# Allegro board 1156197-TDI_VU3P_QSFP28_CXP_V001_1023A-166-20241121_1644_PCB.brd (continued)
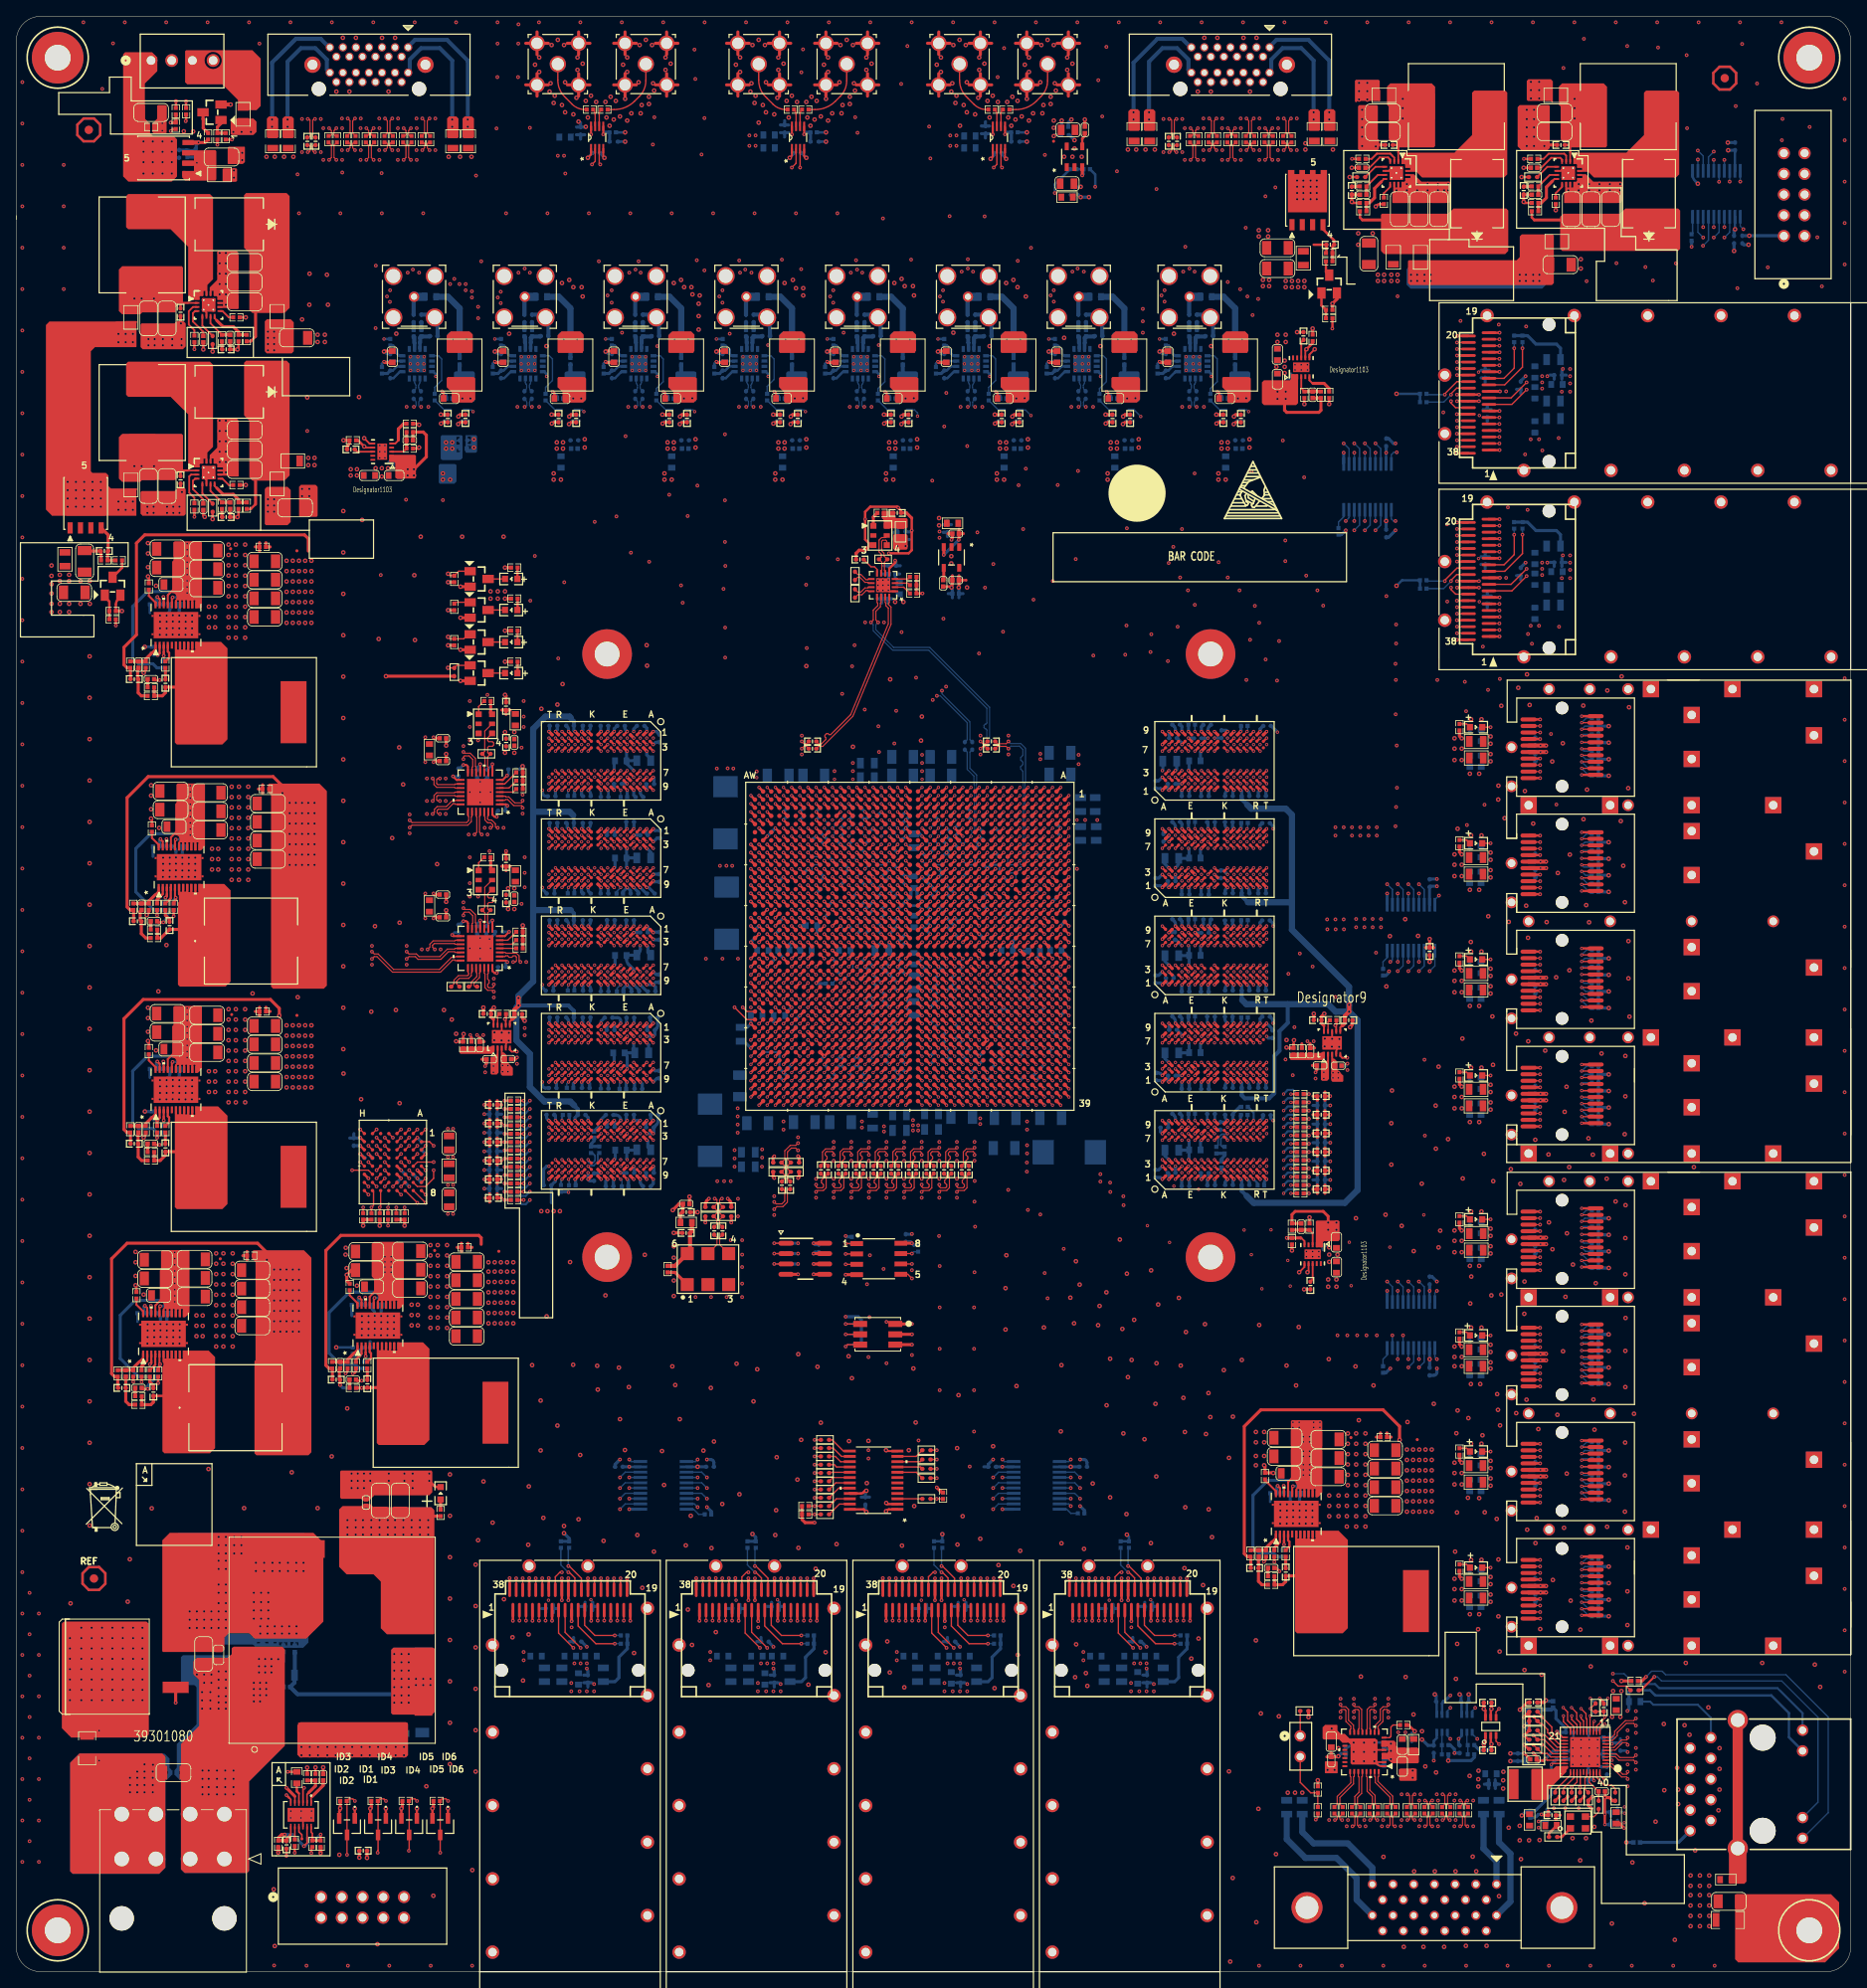
[diagram p0: board, top side]
## Routing (per net, layer and track width the routed paths; a pad name or vN(x,y) marks a point on that pad's centre or on a via; arc(x,y) is an arc through that point) (continued)
CHA_QSFP6_TX3_N: length 71.1
  TOP w0.14: U1.T36 v3(114.1,109.36) ; J13.5 v1(109.88,43.09)
  ART16 w0.102: v3(114.1,109.36) 114.1,109.61 arc(114.14,109.71) 114.25,109.76 114.37,109.76 arc(114.41,109.75) 114.45,109.72 114.47,109.71 arc(114.49,109.67) 114.5,109.63 114.5,108.04 114.48,107.62 114.48,105.77 114.42,105.71 114.42,105.69
  ART16 w0.114: v1(109.88,43.09) 110.02,43.22 arc(110.1,43.35) 110.13,43.5 110.13,43.69 arc(110.11,43.75) 110.06,43.77 arc(110,43.79) 109.98,43.84 109.98,44.15 arc(110,44.2) 110.06,44.23 arc(110.11,44.25) 110.13,44.3 110.13,44.61 arc(110.11,44.66) 110.06,44.68 arc(110,44.71) 109.98,44.76 109.98,45.07 arc(110,45.12) 110.06,45.14 arc(110.11,45.16) 110.13,45.22 110.13,45.74 arc(110.23,46.21) 110.5,46.62 111.31,47.44 arc(111.62,47.9) 111.73,48.45 111.73,51.89 arc(112.06,53.56) 113.01,54.98 113.2,55.16 arc(113.88,56.18) 114.12,57.39 114.12,104.72 arc(114.17,104.96) 114.3,105.16 arc(114.39,105.29) 114.42,105.46 114.42,105.69
CHA_QSFP6_TX3_P: length 71
  TOP w0.14: U1.T35 v3(114.1,110.36) ; v1(110.68,43.09) 110.68,43.09 J13.6
  ART16 w0.102: v3(114.1,110.36) 114.1,110.15 arc(114.16,110.01) 114.29,109.96 114.37,109.96 arc(114.49,109.94) 114.59,109.87 114.61,109.85 arc(114.68,109.75) 114.7,109.63 114.7,108.03 114.68,107.61 114.68,105.77 114.73,105.71 114.73,105.69
  ART16 w0.114: v1(110.68,43.09) 110.55,43.22 arc(110.47,43.35) 110.44,43.5 110.44,45.74 arc(110.51,46.1) 110.71,46.4 111.53,47.22 arc(111.91,47.78) 112.04,48.45 112.04,51.89 arc(112.35,53.44) 113.23,54.76 113.41,54.94 arc(114.16,56.06) 114.43,57.39 114.43,104.72 arc(114.45,104.84) 114.52,104.94 arc(114.68,105.18) 114.73,105.46 114.73,105.69
CHA_QSFP6_VCCI: length 4.2
  TOP w0.305: v1(112.68,48.29) J13.30 v1(112.68,45.59)
  BOTTOM w0.381: 111.65,44.07 C521.1 ; C521.1 112.18,44.57 ; C521.1 111.65,45.08
CHA_QSFP6_VCCRX: length 2.4
  TOP w0.356: J13.10 113.88,43.03 v1(113.88,43.03)
  BOTTOM w0.381: 113.67,40.52 C515.1 114.21,41.02
  vias: v1(113.88,42.26)
CHA_QSFP6_VCCTX: length 4.2
  TOP w0.305: v1(113.48,45.59) J13.29 v1(113.48,48.29)
  BOTTOM w0.381: C516.1 115.53,45.34 ; C516.1 115,44.83 ; C516.1 115.53,44.32
CHA_QSFP7_I2C_SCL: length 80
  TOP w0.17: v1(142.06,40.26) 139.74,40.26 137.57,42.43 J15.11 ; v1(97.92,58.17) R515.2
  ART05 w0.122: v1(97.92,58.17) 98.42,58.17 103.76,52.83 103.76,45.52 101.6,43.36 101.6,37.21 104.9,33.91 106.81,33.91 108.84,35.94 117.73,35.94 123.06,41.27 131.19,41.27 133.83,38.63 140.44,38.63 v1(142.06,40.26)
  BOTTOM w0.17: R267.2 v1(142.06,40.26)
CHA_QSFP7_I2C_SDA: length 79.1
  TOP w0.17: v1(97.92,59.18) R514.2 ; v1(142.06,41.27) 139.62,41.27 138.37,42.52 J15.12
  ART05 w0.122: v1(97.92,59.18) 98.31,59.18 104.39,53.09 104.39,45.39 102.23,43.23 102.23,37.47 105.17,34.54 106.54,34.54 108.58,36.58 117.47,36.58 122.8,41.91 131.45,41.91 134.15,39.22 140,39.22 v1(142.06,41.27)
  BOTTOM w0.17: R268.2 v1(142.06,41.27)
CHA_QSFP7_INTL: length 5.9
  TOP w0.17: J15.28 137.17,48.33 136.47,49.02 v1(136.37,49.02)
  BOTTOM w0.17: R270.2 135.45,49.92 136.35,49.02 v1(136.37,49.02)
CHA_QSFP7_LPMODE: length 25.3
  TOP w0.17: J15.31 134.77,48.46 135.33,49.02 v1(135.57,49.02)
  ART05 w0.122: v1(135.57,49.02) 135.57,50.66 132.51,53.72 127.05,53.72 124.76,56.01 120.57,56.01 v1(119.81,56.76)
  BOTTOM w0.17: U23.12 120.46,57.41 v1(119.81,56.76)
CHA_QSFP7_LPMODE_1V8: length 73.5
  TOP w0.152: U1.M25 v1(118.1,120.36)
  ART12 w0.122: v1(118.1,120.36) 117.63,119.89 116.84,119.89 116.59,119.63 116.59,119.13 116.33,118.87 115.95,118.87 115.57,118.49 115.57,106.05 116.97,104.65 116.97,70.99 125.54,62.42 125.54,59.88 128.27,57.15 v1(129.34,57.15)
  BOTTOM w0.17: U23.9 129.07,57.41 v1(129.34,57.15)
CHA_QSFP7_MODPRSL: length 27
  TOP w0.17: v1(136.37,49.78) 136.47,49.78 137.97,48.29 J15.27
  ART05 w0.122: v1(120.95,58.06) 122,57.02 124.64,57.02 127.18,54.48 133.15,54.48 136.37,51.26 v1(136.37,49.78)
  BOTTOM w0.17: v1(136.37,49.78) 136.37,51.92 R269.2 ; U23.13 v1(120.95,58.06)
CHA_QSFP7_MODPRSL_1V8: length 69.5
  TOP w0.152: U1.N26 v1(117.1,119.36)
  ART12 w0.122: v1(117.1,119.36) 117.1,119.01 116.59,118.49 116.59,106.05 117.6,105.03 117.6,102.87 118.11,102.36 118.11,70.71 126.11,62.7 126.11,60.2 128.24,58.06 v1(129.34,58.06)
  BOTTOM w0.17: U23.8 v1(129.34,58.06)
CHA_QSFP7_MODSEIL: length 40.6
  TOP w0.17: J15.8 135.17,41.56 v1(136.98,39.75)
  ART05 w0.122: v1(120.95,59.37) 120.26,58.67 119.3,58.67 118.41,57.78 118.41,55.31 119.37,54.36 123.18,54.36 127.43,50.1 127.43,46.74 129.97,44.2 134.67,44.2 135.31,43.56 135.31,41.43 v1(136.98,39.75)
  BOTTOM w0.17: v1(120.95,59.37) 120.96,59.36 U23.15
CHA_QSFP7_MODSEIL_1V8: length 68.3
  TOP w0.152: U1.L25 v1(119.1,120.36)
  ART12 w0.122: v1(119.1,120.36) 118.62,119.87 118.62,106.05 119.13,105.54 119.13,103.61 119,103.48 119,71.22 127.13,63.09 127.13,60.71 128.47,59.37 v1(129.34,59.37)
  BOTTOM w0.17: U23.6 129.34,59.36 v1(129.34,59.37)
CHA_QSFP7_RESETL: length 39.7
  TOP w0.17: v1(137.87,39.75) 135.97,41.65 J15.9
  ART05 w0.122: v1(137.87,39.75) 136.07,41.55 136.07,44.07 135.31,44.83 130.48,44.83 128.19,47.12 128.19,50.42 123.49,55.12 119.68,55.12 119.07,55.73 119.07,57.32 v1(119.81,58.06)
  BOTTOM w0.17: U23.14 120.46,58.71 v1(119.81,58.06)
CHA_QSFP7_RESETL_1V8: length 71.3
  TOP w0.152: U1.M26 v1(118.1,119.36)
  ART12 w0.122: v1(118.1,119.36) 117.6,118.86 117.6,106.05 118.73,104.91 118.73,103.75 118.59,103.61 118.59,70.94 126.62,62.91 126.62,60.45 128.4,58.67 129.87,58.67 v1(130.48,58.06)
  BOTTOM w0.17: v1(130.48,58.06) 129.83,58.71 U23.7
CHA_QSFP7_RX0_N: length 78.5
  TOP w0.14: U1.R39 v3(115.1,106.36) ; J15.18 v1(143.17,43.09)
  ART14 w0.102: v3(115.1,106.36) 115.1,106.62 arc(115.06,106.72) 114.97,106.76 114.82,106.76 arc(114.78,106.75) 114.75,106.72 114.73,106.71 arc(114.71,106.68) 114.7,106.64 114.7,105.97 114.75,105.92 114.75,105.89
  ART14 w0.114: 114.75,105.89 114.75,105.59 arc(114.71,105.37) 114.59,105.19 114.5,105.1 arc(114.45,105.02) 114.43,104.92 114.43,96.2 arc(114.88,93.91) 116.18,91.97 133.54,74.61 arc(136.37,70.38) 137.36,65.39 137.36,48.64 arc(137.43,48.29) 137.63,47.99 138.44,47.19 arc(138.94,46.85) 139.52,46.74 139.9,46.74 arc(140.37,46.64) 140.77,46.38 141.37,45.78 arc(141.42,45.76) 141.46,45.78 arc(141.5,45.79) 141.55,45.78 141.78,45.54 arc(141.8,45.5) 141.78,45.45 arc(141.76,45.41) 141.78,45.36 142.02,45.13 arc(142.06,45.11) 142.11,45.13 arc(142.15,45.15) 142.2,45.13 142.43,44.9 arc(142.45,44.85) 142.43,44.81 arc(142.41,44.76) 142.43,44.72 142.54,44.6 arc(142.82,44.18) 142.92,43.69 142.92,43.5 arc(142.95,43.35) 143.04,43.22 v1(143.17,43.09)
CHA_QSFP7_RX0_P: length 78.5
  TOP w0.14: J15.17 v1(142.37,43.09) ; U1.R38 v3(115.1,107.36)
  ART14 w0.102: v3(115.1,107.36) 115.1,107.13 arc(115.05,107.01) 114.93,106.96 114.82,106.96 arc(114.7,106.94) 114.6,106.87 114.59,106.85 arc(114.52,106.75) 114.5,106.64 114.5,105.97 114.45,105.92 114.45,105.89
  ART14 w0.114: v1(142.37,43.09) 142.5,43.22 arc(142.59,43.35) 142.62,43.5 142.62,43.69 arc(142.54,44.07) 142.33,44.39 140.55,46.16 arc(140.25,46.36) 139.9,46.43 139.52,46.43 arc(138.82,46.57) 138.22,46.97 137.42,47.77 arc(137.15,48.17) 137.06,48.64 137.06,65.39 arc(136.09,70.26) 133.33,74.39 115.96,91.76 arc(114.6,93.8) 114.12,96.2 114.12,104.92 arc(114.16,105.14) 114.28,105.32 114.37,105.41 arc(114.43,105.49) 114.45,105.59 114.45,105.89
CHA_QSFP7_RX1_N: length 71.6
  TOP w0.14: J15.21 142.77,48.28 v1(142.77,48.29) ; U1.N39 v3(117.1,106.36)
  ART14 w0.102: v3(117.1,106.36) 117.1,106.65 arc(117.07,106.73) 117,106.76 116.8,106.76 arc(116.73,106.73) 116.7,106.65 116.7,105.97 116.75,105.92 116.75,105.89
  ART14 w0.114: 116.75,105.89 116.75,105.77 arc(116.77,105.68) 116.82,105.61 117.19,105.24 arc(117.4,104.93) 117.47,104.55 117.47,103.92 arc(117.53,103.65) 117.68,103.43 118.18,102.93 arc(118.5,102.44) 118.62,101.87 118.62,101.61 arc(118.64,101.57) 118.68,101.55 arc(118.73,101.53) 118.75,101.49 118.75,101.16 arc(118.73,101.11) 118.68,101.09 arc(118.64,101.07) 118.62,101.03 118.62,100.7 arc(118.64,100.65) 118.68,100.64 118.69,100.64 arc(118.74,100.62) 118.76,100.57 118.76,100.24 arc(118.74,100.2) 118.69,100.18 118.68,100.18 arc(118.64,100.16) 118.62,100.11 118.62,97.6 arc(119.12,95.08) 120.55,92.94 140.31,73.17 arc(141.95,70.73) 142.52,67.85 142.52,48.7 arc(142.55,48.54) 142.64,48.42 v1(142.77,48.29)
CHA_QSFP7_RX1_P: length 71.6
  TOP w0.14: J15.22 141.97,48.28 v1(141.97,48.29) ; U1.N38 v3(117.1,107.36)
  ART14 w0.102: 116.45,105.89 116.45,105.92 116.5,105.97 116.5,106.65 arc(116.59,106.87) 116.8,106.96 117,106.96 arc(117.07,106.99) 117.1,107.06 v3(117.1,107.36)
  ART14 w0.114: v1(141.97,48.29) 142.1,48.42 arc(142.18,48.54) 142.21,48.7 142.21,67.85 arc(141.66,70.61) 140.1,72.96 120.33,92.72 arc(118.84,94.96) 118.31,97.6 118.31,101.87 arc(118.22,102.32) 117.96,102.71 117.46,103.21 arc(117.24,103.54) 117.17,103.92 117.17,104.55 arc(117.12,104.81) 116.97,105.02 116.6,105.39 arc(116.49,105.57) 116.45,105.77 116.45,105.89
CHA_QSFP7_RX2_N: length 83.2
  TOP w0.14: U1.L39 v3(119.1,106.36) ; J15.15 v1(140.77,43.09)
  ART14 w0.102: 119.45,105.89 119.45,105.92 119.5,105.97 119.5,106.65 arc(119.47,106.73) 119.4,106.76 119.2,106.76 arc(119.13,106.73) 119.1,106.65 v3(119.1,106.36)
  ART14 w0.114: 119.45,105.89 119.45,105.4 arc(119.5,105.16) 119.63,104.95 119.76,104.82 arc(119.79,104.76) 119.76,104.71 arc(119.74,104.65) 119.76,104.59 119.98,104.38 arc(120.03,104.36) 120.09,104.38 arc(120.14,104.41) 120.2,104.38 120.29,104.3 arc(120.3,104.28) 120.31,104.27 arc(120.38,104.15) 120.4,104.02 120.4,103.79 arc(120.38,103.72) 120.31,103.69 arc(120.25,103.67) 120.22,103.6 120.22,103.33 arc(120.25,103.26) 120.31,103.24 arc(120.38,103.21) 120.4,103.14 120.4,102.87 arc(120.38,102.81) 120.31,102.78 arc(120.25,102.75) 120.22,102.69 120.22,102.42 arc(120.25,102.35) 120.31,102.32 arc(120.38,102.3) 120.4,102.23 120.4,96.83 arc(120.68,95.43) 121.47,94.25 142,73.72 arc(143.64,71.26) 144.22,68.37 144.22,46.21 arc(144.19,46.15) 144.13,46.12 arc(144.07,46.1) 144.04,46.03 144.04,45.75 arc(144.07,45.69) 144.13,45.67 arc(144.19,45.64) 144.22,45.58 144.22,45.3 arc(144.19,45.23) 144.13,45.21 arc(144.07,45.18) 144.04,45.12 144.04,44.84 arc(144.07,44.78) 144.13,44.75 arc(144.19,44.73) 144.22,44.66 144.22,44.11 arc(144.26,43.91) 144.38,43.73 144.58,43.53 arc(144.69,43.36) 144.73,43.17 144.73,42.92 arc(144.51,42.4) 144,42.19 141.56,42.19 arc(141.5,42.22) 141.47,42.28 141.47,42.29 arc(141.45,42.35) 141.39,42.38 141.11,42.38 arc(141.04,42.35) 141.02,42.29 141.02,42.28 arc(140.99,42.22) 140.93,42.19 140.78,42.19 arc(140.6,42.26) 140.52,42.44 140.52,42.68 arc(140.55,42.83) 140.64,42.96 v1(140.77,43.09)
CHA_QSFP7_RX2_P: length 83.2
  TOP w0.14: J15.14 v1(139.97,43.09) ; U1.L38 v3(119.1,107.36)
  ART14 w0.102: v3(119.1,107.36) 119.1,107.06 arc(119.13,106.99) 119.2,106.96 119.4,106.96 arc(119.61,106.87) 119.7,106.65 119.7,105.97 119.75,105.92 119.75,105.89
  ART14 w0.114: v1(139.97,43.09) 140.1,42.96 arc(140.18,42.83) 140.21,42.68 140.21,42.44 arc(140.38,42.05) 140.78,41.88 144,41.88 arc(144.73,42.19) 145.04,42.92 145.04,43.17 arc(144.98,43.48) 144.8,43.74 144.59,43.95 arc(144.54,44.03) 144.53,44.11 144.53,68.37 arc(143.93,71.38) 142.22,73.93 121.69,94.46 arc(120.97,95.55) 120.71,96.83 120.71,104.02 arc(120.7,104.14) 120.66,104.27 arc(120.6,104.4) 120.5,104.51 119.85,105.17 arc(119.78,105.27) 119.75,105.4 119.75,105.89
CHA_QSFP7_RX3_N: length 78.9
  TOP w0.14: J15.24 140.37,46.88 v1(140.37,48.29) ; U1.J39 v3(121.1,106.36)
  ART14 w0.102: v3(121.1,106.36) 121.1,106.65 arc(121.07,106.73) 121,106.76 120.8,106.76 arc(120.59,106.84) 120.5,107.06 120.5,107.51 arc(120.43,107.68) 120.25,107.76 116.07,107.76 arc(115.81,107.65) 115.7,107.39 115.7,105.94 115.75,105.89 115.75,105.86
  ART14 w0.114: 115.75,105.86 115.75,104.87 arc(115.77,104.83) 115.81,104.81 arc(115.86,104.79) 115.87,104.75 115.87,104.41 arc(115.86,104.37) 115.81,104.35 arc(115.77,104.33) 115.75,104.29 115.75,103.95 arc(115.77,103.91) 115.81,103.89 115.84,103.89 arc(115.88,103.88) 115.9,103.83 115.9,103.5 arc(115.88,103.45) 115.84,103.44 115.81,103.44 arc(115.77,103.42) 115.75,103.38 115.75,103.09 arc(115.78,102.95) 115.86,102.83 116.27,102.43 arc(116.46,102.13) 116.53,101.79 116.53,95.75 arc(116.8,94.4) 117.57,93.25 140.2,70.62 arc(140.86,69.62) 141.1,68.44 141.1,50.33 arc(140.99,49.76) 140.67,49.28 140.2,48.81 arc(140.14,48.72) 140.12,48.62 140.12,48.61 arc(140.14,48.54) 140.18,48.48 v1(140.37,48.29)
CHA_QSFP7_RX3_P: length 78.9
  TOP w0.14: U1.J38 v3(121.1,107.36) ; J15.25 139.57,46.88 v1(139.57,48.29)
  ART14 w0.102: 115.45,105.86 115.45,105.89 115.5,105.94 115.5,107.39 arc(115.67,107.79) 116.07,107.96 120.25,107.96 arc(120.57,107.83) 120.7,107.51 120.7,107.06 arc(120.73,106.99) 120.8,106.96 121,106.96 arc(121.07,106.99) 121.1,107.06 v3(121.1,107.36)
  ART14 w0.114: 115.45,105.86 115.45,103.09 arc(115.5,102.83) 115.65,102.61 116.05,102.21 arc(116.18,102.02) 116.23,101.79 116.23,95.75 arc(116.52,94.28) 117.35,93.03 139.98,70.41 arc(140.58,69.51) 140.79,68.44 140.79,50.33 arc(140.7,49.87) 140.45,49.49 139.98,49.03 arc(139.86,48.84) 139.81,48.62 139.81,48.61 arc(139.8,48.54) 139.76,48.48 v1(139.57,48.29)
CHA_QSFP7_TX0_N: length 69.1
  TOP w0.14: v1(129.97,48.29) 129.97,48.28 J15.37 ; U1.P36 v3(116.1,109.36)
  ART16 w0.102: v3(116.1,109.36) 116.1,109.61 arc(116.14,109.71) 116.25,109.76 116.34,109.76 arc(116.45,109.71) 116.5,109.59 116.5,108.04 116.48,107.62 116.48,105.75 116.42,105.7 116.42,105.69
  ART16 w0.114: v1(129.97,48.29) 130.14,48.46 arc(130.2,48.54) 130.21,48.63 130.21,48.64 arc(130.19,48.74) 130.14,48.83 129.85,49.12 arc(129.8,49.14) 129.76,49.12 arc(129.71,49.1) 129.67,49.12 129.43,49.36 arc(129.42,49.4) 129.43,49.44 arc(129.45,49.49) 129.43,49.53 129.2,49.77 arc(129.16,49.78) 129.11,49.77 arc(129.07,49.75) 129.02,49.77 128.79,50 arc(128.77,50.05) 128.79,50.09 arc(128.81,50.13) 128.79,50.18 127.59,51.37 arc(127.11,52.09) 126.95,52.93 126.95,57.53 arc(125.9,62.81) 122.91,67.29 121.42,68.77 arc(119.72,71.31) 119.13,74.31 119.13,99.95 arc(118.79,101.66) 117.82,103.11 116.77,104.16 arc(116.72,104.21) 116.67,104.27 arc(116.49,104.6) 116.42,104.98 116.42,105.69
CHA_QSFP7_TX0_P: length 69.1
  TOP w0.14: U1.P35 v3(116.1,110.36) ; J15.36 v1(130.77,48.29)
  ART16 w0.102: v3(116.1,110.36) 116.1,110.15 arc(116.16,110.01) 116.29,109.96 116.34,109.96 arc(116.6,109.85) 116.7,109.59 116.7,108.03 116.68,107.61 116.68,105.77 116.73,105.71 116.73,105.69
  ART16 w0.114: v1(130.77,48.29) 130.59,48.46 arc(130.54,48.54) 130.52,48.63 130.52,48.64 arc(130.48,48.86) 130.35,49.05 127.81,51.59 arc(127.4,52.21) 127.25,52.93 127.25,57.53 arc(126.18,62.93) 123.12,67.5 121.64,68.99 arc(120.01,71.43) 119.43,74.31 119.43,99.95 arc(119.07,101.78) 118.03,103.33 116.98,104.38 arc(116.8,104.66) 116.73,104.98 116.73,105.69
CHA_QSFP7_TX1_N: length 81.5
  TOP w0.14: U1.M36 v3(118.1,109.36) ; v1(130.37,43.09) 130.37,44.37 J15.2
  ART16 w0.102: v3(118.1,109.36) 118.1,109.57 arc(118.05,109.7) 117.91,109.76 117.89,109.76 arc(117.61,109.87) 117.5,110.15 117.5,110.46 arc(117.41,110.67) 117.2,110.76 116.07,110.76 arc(115.81,110.65) 115.7,110.39 115.7,108.07 115.72,107.66 115.72,105.94 115.78,105.89 115.78,105.86
  ART16 w0.114: 115.78,105.86 115.78,103.88 arc(115.8,103.83) 115.85,103.81 arc(115.9,103.78) 115.93,103.73 115.93,103.42 arc(115.9,103.37) 115.85,103.35 arc(115.8,103.33) 115.78,103.27 115.78,102.87 arc(115.8,102.75) 115.87,102.64 115.95,102.56 arc(116.01,102.54) 116.07,102.56 arc(116.12,102.59) 116.18,102.56 116.39,102.36 arc(116.41,102.3) 116.39,102.24 arc(116.37,102.18) 116.39,102.13 116.5,102.02 arc(116.66,101.78) 116.71,101.5 116.71,72.29 arc(117.21,69.8) 118.62,67.69 120.63,65.68 arc(122.9,62.28) 123.7,58.28 123.7,56.36 arc(124.32,53.22) 126.11,50.55 126.52,50.14 arc(127.55,48.59) 127.91,46.77 127.91,46.33 arc(127.94,46.26) 128,46.24 128.02,46.24 arc(128.08,46.21) 128.1,46.15 128.1,45.87 arc(128.08,45.81) 128.02,45.78 128,45.78 arc(127.94,45.75) 127.91,45.69 127.91,45.41 arc(127.94,45.35) 128,45.32 128.02,45.32 arc(128.08,45.3) 128.1,45.23 128.1,44.96 arc(128.08,44.89) 128.02,44.87 128,44.87 arc(127.94,44.84) 127.91,44.78 127.91,44.5 arc(127.94,44.44) 128,44.41 128.02,44.41 arc(128.08,44.38) 128.1,44.32 128.1,44.04 arc(128.08,43.98) 128.02,43.95 128,43.95 arc(127.94,43.93) 127.91,43.86 127.91,43.65 arc(127.97,43.38) 128.12,43.15 128.81,42.47 arc(129.03,42.32) 129.29,42.27 129.49,42.27 arc(129.54,42.29) 129.56,42.34 129.56,42.37 arc(129.59,42.42) 129.64,42.44 129.95,42.44 arc(130,42.42) 130.02,42.37 130.02,42.34 arc(130.04,42.29) 130.1,42.27 130.25,42.27 arc(130.51,42.37) 130.62,42.63 130.62,42.68 arc(130.59,42.83) 130.5,42.96 v1(130.37,43.09)
CHA_QSFP7_TX1_P: length 81.5
  TOP w0.14: J15.3 131.17,44.37 v1(131.17,43.09) ; U1.M35 v3(118.1,110.36)
  ART16 w0.102: 115.47,105.86 115.47,105.89 115.52,105.94 115.52,107.65 115.5,108.07 115.5,110.39 arc(115.67,110.79) 116.07,110.96 117.2,110.96 arc(117.56,110.81) 117.7,110.46 117.7,110.15 arc(117.76,110.01) 117.89,109.96 117.91,109.96 arc(118.05,110.01) 118.1,110.15 v3(118.1,110.36)
  ART16 w0.114: v1(131.17,43.09) 131.04,42.96 arc(130.96,42.83) 130.93,42.68 130.93,42.63 arc(130.73,42.16) 130.25,41.96 129.29,41.96 arc(128.91,42.03) 128.59,42.25 127.91,42.93 arc(127.69,43.26) 127.61,43.65 127.61,46.77 arc(127.27,48.47) 126.3,49.92 125.89,50.33 arc(124.04,53.1) 123.39,56.36 123.39,58.28 arc(122.62,62.16) 120.42,65.46 118.4,67.47 arc(116.92,69.68) 116.41,72.29 116.41,101.5 arc(116.37,101.66) 116.28,101.8 115.65,102.43 arc(115.52,102.63) 115.47,102.87 115.47,105.86
CHA_QSFP7_TX2_N: length 69.3
  TOP w0.14: J15.34 v1(132.37,48.29) ; U1.K36 v3(120.1,109.36)
  ART16 w0.102: v3(120.1,109.36) 120.1,109.61 arc(120.14,109.71) 120.25,109.76 120.37,109.76 arc(120.46,109.72) 120.5,109.62 120.5,108.04 120.48,107.62 120.48,105.77 120.42,105.71 120.42,105.69
  ART16 w0.114: v1(132.37,48.29) 132.55,48.47 arc(132.61,48.56) 132.63,48.66 132.63,48.67 arc(132.69,48.81) 132.78,48.94 132.92,49.08 arc(133.05,49.27) 133.09,49.5 133.09,50.88 arc(133.08,50.92) 133.03,50.94 133.02,50.94 arc(132.97,50.96) 132.96,51 132.96,51.34 arc(132.97,51.38) 133.02,51.4 133.03,51.4 arc(133.08,51.42) 133.09,51.46 133.09,51.79 arc(133.08,51.84) 133.03,51.86 arc(132.99,51.88) 132.97,51.92 132.97,52.25 arc(132.99,52.3) 133.03,52.31 arc(133.08,52.33) 133.09,52.38 133.09,61.38 arc(132.73,63.2) 131.71,64.74 124.1,72.34 arc(122.84,74.22) 122.4,76.45 122.4,88.39 arc(122.05,90.13) 121.07,91.6 arc(120.59,92.32) 120.42,93.16 120.42,105.69
CHA_QSFP7_TX2_P: length 69.3
  TOP w0.14: U1.K35 v3(120.1,110.36) ; v1(133.17,48.29) 133.17,46.88 J15.33
  ART16 w0.102: 120.73,105.69 120.73,105.71 120.68,105.77 120.68,107.61 120.7,108.03 120.7,109.62 arc(120.6,109.86) 120.37,109.96 120.29,109.96 arc(120.16,110.01) 120.1,110.15 v3(120.1,110.36)
  ART16 w0.114: 120.73,105.69 120.73,93.16 arc(120.88,92.43) 121.28,91.82 arc(122.34,90.25) 122.71,88.39 122.71,76.45 arc(123.13,74.34) 124.32,72.56 131.92,64.95 arc(133.02,63.32) 133.4,61.38 133.4,49.5 arc(133.33,49.15) 133.14,48.86 133,48.72 arc(132.95,48.66) 132.93,48.6 132.93,48.58 arc(132.94,48.53) 132.97,48.48 v1(133.17,48.29)
CHA_QSFP7_TX3_N: length 74.7
  TOP w0.14: J15.5 132.77,44.37 v1(132.77,43.09) ; U1.H36 v3(122.1,109.36)
  ART16 w0.102: v3(122.1,109.36) 122.1,109.61 arc(122.14,109.71) 122.25,109.76 122.36,109.76 arc(122.46,109.72) 122.5,109.62 122.5,108.04 122.48,107.62 122.48,105.77 122.42,105.71 122.42,105.69
  ART16 w0.114: v1(132.77,43.09) 132.9,43.22 arc(132.99,43.35) 133.02,43.5 133.02,43.71 arc(132.99,43.76) 132.94,43.78 arc(132.89,43.8) 132.87,43.86 132.87,44.16 arc(132.89,44.22) 132.94,44.24 arc(132.99,44.26) 133.02,44.31 133.02,44.62 arc(132.99,44.67) 132.94,44.7 arc(132.89,44.72) 132.87,44.77 132.87,45.08 arc(132.89,45.13) 132.94,45.15 arc(132.99,45.17) 133.02,45.23 133.02,45.95 arc(133.11,46.39) 133.36,46.77 134.46,47.87 arc(134.58,48.05) 134.62,48.25 134.62,50.69 arc(134.68,51) 134.86,51.27 arc(134.96,51.42) 135,51.61 135,62.14 arc(134.52,64.52) 133.17,66.54 127.05,72.67 arc(125.21,75.43) 124.56,78.68 124.56,89.66 arc(124.21,91.4) 123.23,92.87 arc(122.63,93.76) 122.42,94.81 122.42,105.69
CHA_QSFP7_TX3_P: length 74.7
  TOP w0.14: U1.H35 v3(122.1,110.36) ; J15.6 133.57,43.09 v1(133.57,43.09)
  ART16 w0.102: v3(122.1,110.36) 122.1,110.15 arc(122.16,110.01) 122.29,109.96 122.36,109.96 arc(122.6,109.86) 122.7,109.62 122.7,108.03 122.68,107.61 122.68,105.77 122.73,105.71 122.73,105.69
  ART16 w0.114: v1(133.57,43.09) 133.44,43.22 arc(133.35,43.35) 133.32,43.5 133.32,45.95 arc(133.39,46.28) 133.57,46.55 134.68,47.66 arc(134.86,47.93) 134.92,48.25 134.92,50.69 arc(134.96,50.89) 135.08,51.05 arc(135.25,51.31) 135.31,51.61 135.31,62.14 arc(134.81,64.64) 133.39,66.76 127.27,72.89 arc(125.49,75.54) 124.87,78.68 124.87,89.66 arc(124.5,91.52) 123.44,93.09 arc(122.92,93.88) 122.73,94.81 122.73,105.69
CHA_QSFP7_VCCI: length 4.2
  TOP w0.305: v1(135.57,45.59) J15.30 v1(135.57,48.29)
  BOTTOM w0.381: C529.1 135.07,44.57 ; C529.1 134.53,44.07 ; C529.1 134.53,45.08
CHA_QSFP7_VCCRX: length 2.4
  TOP w0.356: J15.10 136.77,43.03 v1(136.77,43.03)
  BOTTOM w0.381: 136.94,41.02 C525.1 136.41,40.52
  vias: v1(136.77,42.26)
CHA_QSFP7_VCCTX: length 4.2
  TOP w0.305: v1(136.37,45.59) J15.29 v1(136.37,48.29)
  BOTTOM w0.381: 137.88,44.83 C527.1 ; C527.1 138.42,44.32 ; C527.1 138.42,45.34
CHA_ROVP: length 2.9
  TOP w0.254: R395.1 19.3,131.24 19.56,131.5 v1(19.56,131.83) 19.46,131.92 U47.5
  BOTTOM w0.305: R395.1 19.3,131.44 19.43,131.57 19.43,131.7 v1(19.56,131.83)
CHA_SFP0_VCCRX: length 2.1
  TOP w0.508: P1.A15 v1(186.96,47.34) v1(187.64,47.34)
  vias: v2(180.83,48.45) v2(180.83,47.56)
CHA_SFP0_VCCTX: length 2.1
  TOP w0.508: v1(187.64,46.54) v1(186.96,46.54) P1.A16
  vias: v2(180.83,46.29) v2(180.83,45.4)
CHA_SFP1_VCCRX: length 2.1
  TOP w0.508: v1(187.64,61.59) v1(186.96,61.59) P1.B15
  vias: v2(180.83,62.7) v2(180.83,61.81)
CHA_SFP1_VCCTX: length 2.1
  TOP w0.508: v1(187.64,60.79) v1(186.96,60.79) P1.B16
  vias: v2(180.83,60.54) v2(180.83,59.65)
CHA_SFP2_VCCRX: length 2.1
  TOP w0.508: P1.C15 v1(186.96,75.84) v1(187.64,75.84)
  vias: v2(180.83,76.95) v2(180.83,76.06)
CHA_SFP2_VCCTX: length 2.1
  TOP w0.508: P1.C16 v1(186.96,75.04) v1(187.64,75.04)
  vias: v2(180.83,74.79) v2(180.83,74.03)
CHA_SFP3_VCCRX: length 2.1
  TOP w0.508: v1(187.64,90.09) v1(186.96,90.09) P1.D15
  vias: v2(180.83,91.2) v2(180.83,90.31)
CHA_SFP3_VCCTX: length 2.1
  TOP w0.508: P1.D16 v1(186.96,89.29) v1(187.64,89.29)
  vias: v2(180.83,89.04) v2(180.83,88.15)
CHA_SFP4_VCCRX: length 2.1
  TOP w0.508: v1(187.64,107.75) v1(186.96,107.75) P2.A15
  vias: v2(180.83,108.86) v2(180.83,107.97)
CHA_SFP4_VCCTX: length 2.1
  TOP w0.508: v1(187.64,106.95) v1(186.96,106.95) P2.A16
  vias: v2(180.83,106.7) v2(180.83,105.81)
CHA_SFP5_VCCRX: length 2.1
  TOP w0.508: v1(187.64,122) v1(186.96,122) P2.B15
  vias: v2(180.83,123.11) v2(180.83,122.22)
CHA_SFP5_VCCTX: length 2.1
  TOP w0.508: P2.B16 v1(186.96,121.2) v1(187.64,121.2)
  vias: v2(180.83,120.95) v2(180.83,120.06)
CHA_SFP6_VCCRX: length 2.1
  TOP w0.508: P2.C15 v1(186.96,136.25) v1(187.64,136.25)
  vias: v2(180.83,137.36) v2(180.83,136.47)
CHA_SFP6_VCCTX: length 2.1
  TOP w0.508: P2.C16 v1(186.96,135.45) v1(187.64,135.45)
  vias: v2(180.83,135.2) v2(180.83,134.31)
CHA_SFP7_VCCRX: length 2.1
  TOP w0.508: P2.D15 v1(186.96,150.5) v1(187.64,150.5)
  vias: v2(180.83,151.61) v2(180.83,150.72)
CHA_SFP7_VCCTX: length 2.1
  TOP w0.508: P2.D16 v1(186.96,149.7) v1(187.64,149.7)
  vias: v2(180.83,149.45) v2(180.83,148.56)
CHA_SFP+_0_LOS: length 59.5
  TOP w0.17: P1.A8 192.01,49.34 v3(192,49.34) ; DS4.2 v1(180.83,49.59)
  ART05 w0.122: v3(192,49.34) 189.16,49.34 187.32,51.17 184.91,51.17 183.32,49.59 v1(180.83,49.59) 180.83,52.09 177.42,55.5 177.42,58.8 178.18,59.56 178.18,62.87 177.29,63.75 177.29,66.55 175.36,68.48 175.36,77.37 171.32,81.41 171.32,83.99 v1(172.04,84.71)
  BOTTOM w0.17: R177.2 192.38,49.72 v3(192,49.34) ; v1(172.04,84.71) 172.69,84.06 U19.18
CHA_SFP+_0_LOS_1V8: length 76.2
  TOP w0.17: U1.A29 v1(129.1,116.36)
  ART05 w0.122: v1(172.04,74.17) 171.45,74.76 171.45,77.72 166.88,82.3 145.29,82.3 129.92,97.66 129.92,115.82 129.39,116.36 v1(129.1,116.36)
  BOTTOM w0.17: U19.3 172.69,74.82 v1(172.04,74.17)
CHA_SFP+_0_RXD_N: length 98.8
  TOP w0.14: U1.G39 v3(123.1,106.36) ; v1(186.91,49.74) 186.9,49.74 P1.A12
  ART14 w0.102: v3(123.1,106.36) 123.1,106.65 arc(123.07,106.73) 123,106.76 122.86,106.76 arc(122.75,106.71) 122.7,106.6 122.7,105.77 122.75,105.71 122.75,105.69
  ART14 w0.114: v1(186.91,49.74) 186.78,49.61 arc(186.65,49.52) 186.5,49.49 186.21,49.49 arc(186.17,49.51) 186.14,49.56 arc(186.12,49.61) 186.08,49.63 185.76,49.63 arc(185.71,49.61) 185.69,49.56 arc(185.67,49.51) 185.62,49.49 185.47,49.49 arc(185.27,49.53) 185.11,49.64 184.96,49.79 arc(184.94,49.85) 184.96,49.91 arc(184.99,49.97) 184.96,50.04 184.77,50.23 arc(184.7,50.26) 184.64,50.23 arc(184.58,50.21) 184.52,50.23 175.72,59.03 arc(175.29,59.68) 175.13,60.45 175.13,64.14 arc(174.94,65.12) 174.38,65.96 171.27,69.06 arc(168.94,70.63) 166.18,71.17 152.25,71.17 arc(149.99,71.62) 148.08,72.9 124.32,96.66 arc(123.15,98.42) 122.75,100.5 122.75,103.98 arc(122.78,104.04) 122.85,104.07 arc(122.91,104.1) 122.94,104.16 122.94,104.44 arc(122.91,104.5) 122.85,104.53 arc(122.78,104.55) 122.75,104.62 122.75,104.89 arc(122.78,104.96) 122.85,104.98 arc(122.91,105.01) 122.94,105.07 122.94,105.35 arc(122.91,105.41) 122.85,105.44 arc(122.78,105.47) 122.75,105.53 122.75,105.69
